# EAGLE board Mk4 Final a Panel score 2x5 (EAGLE 9.0.1), part 19 of 29 (continued)
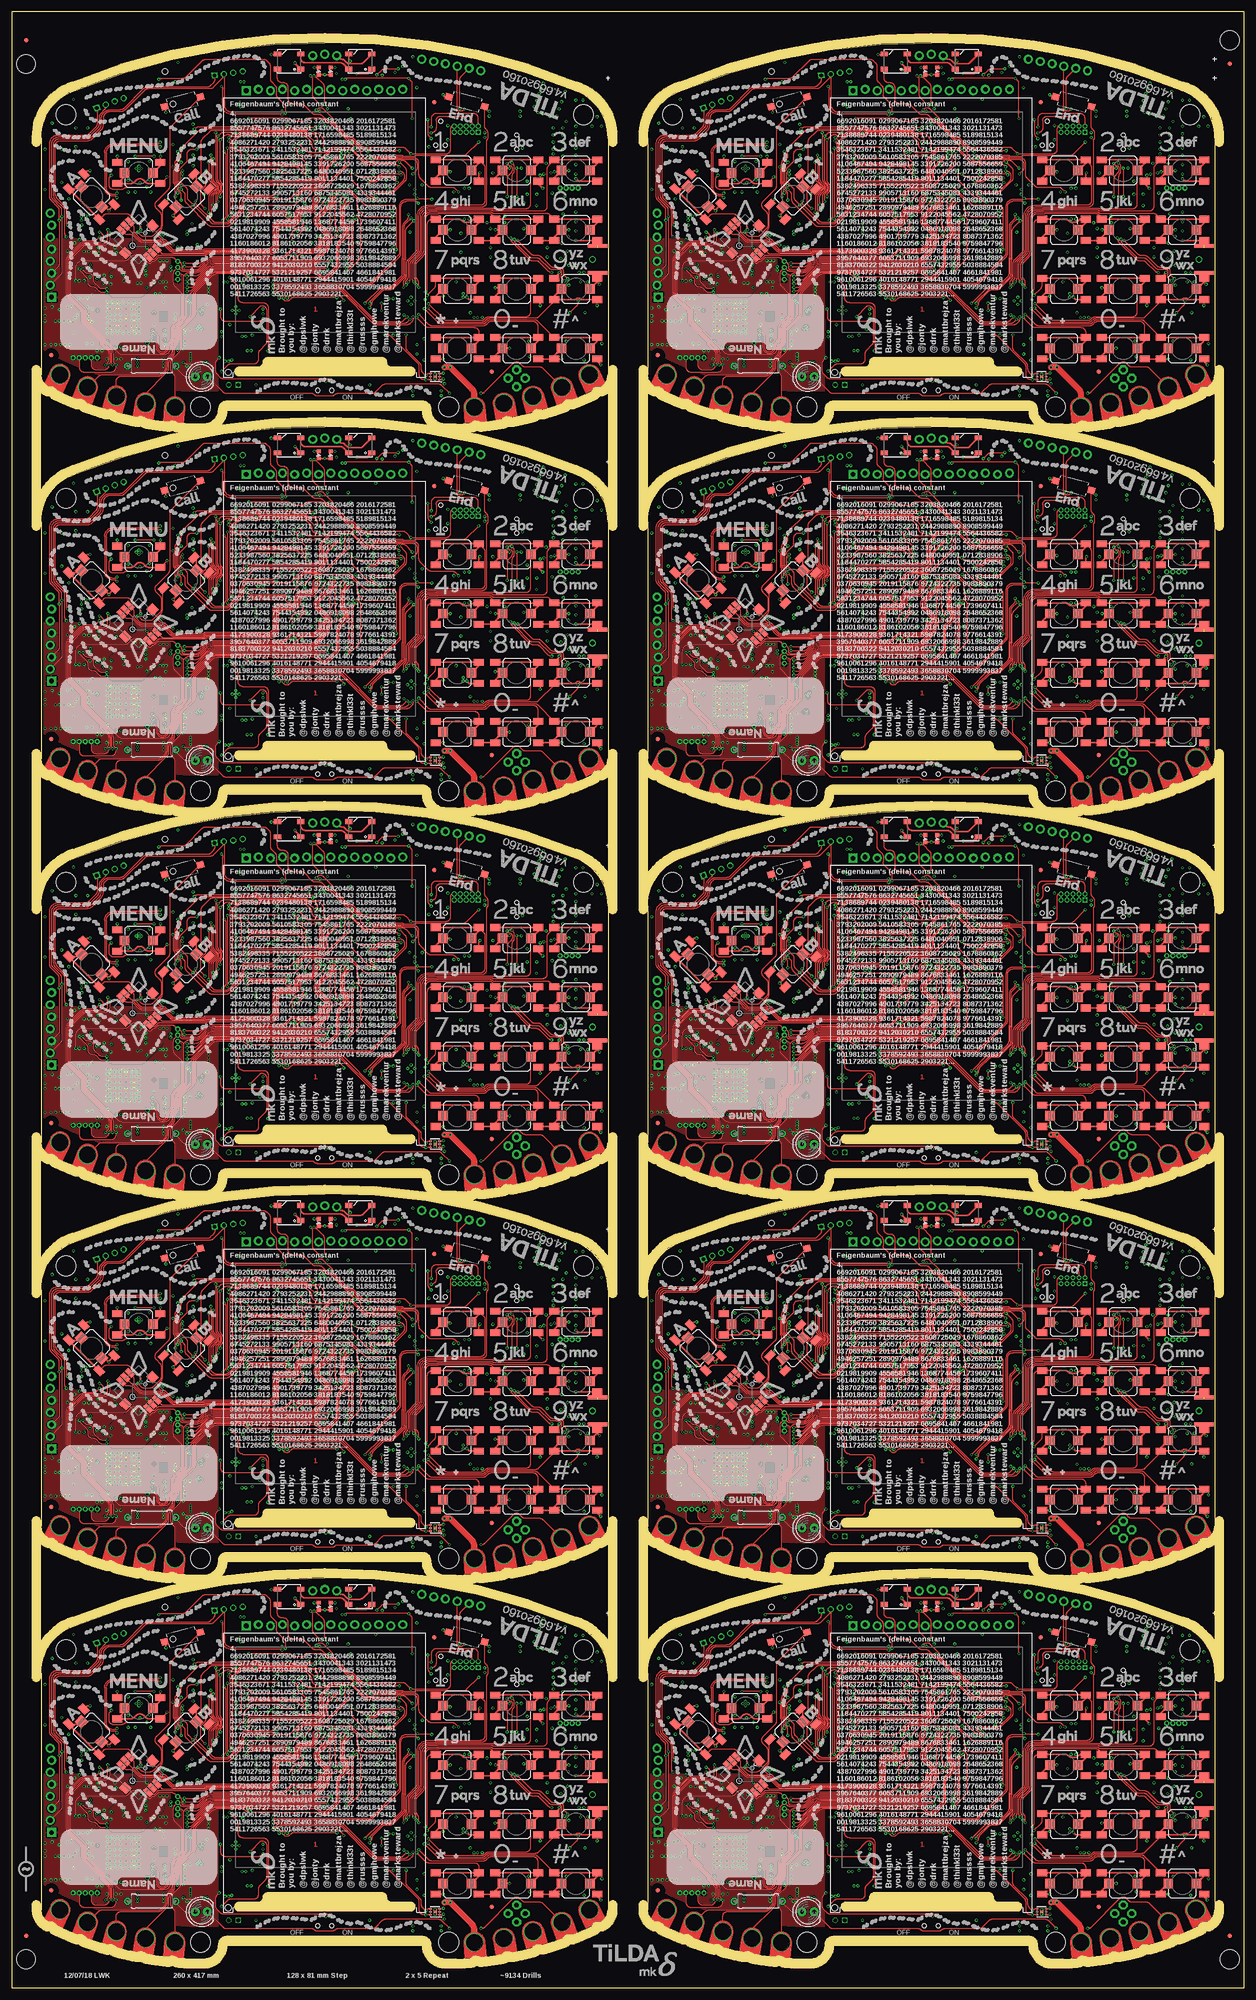
[diagram p0: board, top side]
## Tracks (layer width: path | path; a pad name or v marks a point on that pad's centre or on a via) (continued)
N$4
  cutout 3V3@2: 86.1,11 86.1,14.75 90.1,14.75 90.1,11
  cutout GND@3: 86.1,11 86.1,14.75 90.1,14.75 90.1,11
N$5
  cutout GND@3 (no thermals): 155.9,34.9 155.9,34.85 155.9,34.9 156.24,35.24 arc-90 156.66,35.24 156.84,35.06 arc-90 156.84,34.64 154.15,31.95 154.15,31.8 arc-90 153.85,31.5 153.75,31.5 arc-90 153.45,31.8 153.45,32.4 155.9,34.85
N$6
  cutout GND@3 (no thermals): 151.1,36.5 151.1,32.8 151.85,32.05 151.85,31.75 arc-90 151.55,31.45 151.45,31.45 arc-90 151.15,31.75 150.4,32.5 150.4,37 151.29,37.89 arc-90 151.71,37.89 151.89,37.71 arc-90 151.89,37.29
N$7
  cutout GND@3 (no thermals): 150.1,36.6 150.1,32.6 150.65,32.05 150.65,31.75 arc-90 150.35,31.45 150.25,31.45 arc-90 149.95,31.75 149.4,32.3 149.4,36.1 148.61,36.89 arc-90 148.61,37.31 148.79,37.49 arc-90 149.21,37.49
N$8
  cutout 3V3@2: 214.1,11 214.1,14.75 218.1,14.75 218.1,11
  cutout GND@3: 214.1,11 214.1,14.75 218.1,14.75 218.1,11
N$9
  cutout GND@3 (no thermals): 27.9,115.9 27.9,115.85 27.9,115.9 28.24,116.24 arc-90 28.66,116.24 28.84,116.06 arc-90 28.84,115.64 26.15,112.95 26.15,112.8 arc-90 25.85,112.5 25.75,112.5 arc-90 25.45,112.8 25.45,113.4 27.9,115.85
N$10
  cutout GND@3 (no thermals): 23.1,117.5 23.1,113.8 23.85,113.05 23.85,112.75 arc-90 23.55,112.45 23.45,112.45 arc-90 23.15,112.75 22.4,113.5 22.4,118 23.29,118.89 arc-90 23.71,118.89 23.89,118.71 arc-90 23.89,118.29
N$11
  cutout GND@3 (no thermals): 22.1,117.6 22.1,113.6 22.65,113.05 22.65,112.75 arc-90 22.35,112.45 22.25,112.45 arc-90 21.95,112.75 21.4,113.3 21.4,117.1 20.61,117.89 arc-90 20.61,118.31 20.79,118.49 arc-90 21.21,118.49
N$12
  cutout 3V3@2: 86.1,92 86.1,95.75 90.1,95.75 90.1,92
  cutout GND@3: 86.1,92 86.1,95.75 90.1,95.75 90.1,92
N$13
  cutout GND@3 (no thermals): 155.9,115.9 155.9,115.85 155.9,115.9 156.24,116.24 arc-90 156.66,116.24 156.84,116.06 arc-90 156.84,115.64 154.15,112.95 154.15,112.8 arc-90 153.85,112.5 153.75,112.5 arc-90 153.45,112.8 153.45,113.4 155.9,115.85
N$14
  cutout GND@3 (no thermals): 151.1,117.5 151.1,113.8 151.85,113.05 151.85,112.75 arc-90 151.55,112.45 151.45,112.45 arc-90 151.15,112.75 150.4,113.5 150.4,118 151.29,118.89 arc-90 151.71,118.89 151.89,118.71 arc-90 151.89,118.29
N$15
  cutout GND@3 (no thermals): 150.1,117.6 150.1,113.6 150.65,113.05 150.65,112.75 arc-90 150.35,112.45 150.25,112.45 arc-90 149.95,112.75 149.4,113.3 149.4,117.1 148.61,117.89 arc-90 148.61,118.31 148.79,118.49 arc-90 149.21,118.49
N$16
  cutout 3V3@2: 214.1,92 214.1,95.75 218.1,95.75 218.1,92
  cutout GND@3: 214.1,92 214.1,95.75 218.1,95.75 218.1,92
N$17
  cutout GND@3 (no thermals): 27.9,196.9 27.9,196.85 27.9,196.9 28.24,197.24 arc-90 28.66,197.24 28.84,197.06 arc-90 28.84,196.64 26.15,193.95 26.15,193.8 arc-90 25.85,193.5 25.75,193.5 arc-90 25.45,193.8 25.45,194.4 27.9,196.85
N$18
  cutout GND@3 (no thermals): 23.1,198.5 23.1,194.8 23.85,194.05 23.85,193.75 arc-90 23.55,193.45 23.45,193.45 arc-90 23.15,193.75 22.4,194.5 22.4,199 23.29,199.89 arc-90 23.71,199.89 23.89,199.71 arc-90 23.89,199.29
N$19
  cutout GND@3 (no thermals): 22.1,198.6 22.1,194.6 22.65,194.05 22.65,193.75 arc-90 22.35,193.45 22.25,193.45 arc-90 21.95,193.75 21.4,194.3 21.4,198.1 20.61,198.89 arc-90 20.61,199.31 20.79,199.49 arc-90 21.21,199.49
N$20
  cutout 3V3@2: 86.1,173 86.1,176.75 90.1,176.75 90.1,173
  cutout GND@3: 86.1,173 86.1,176.75 90.1,176.75 90.1,173
N$21
  cutout GND@3 (no thermals): 155.9,196.9 155.9,196.85 155.9,196.9 156.24,197.24 arc-90 156.66,197.24 156.84,197.06 arc-90 156.84,196.64 154.15,193.95 154.15,193.8 arc-90 153.85,193.5 153.75,193.5 arc-90 153.45,193.8 153.45,194.4 155.9,196.85
N$22
  cutout GND@3 (no thermals): 151.1,198.5 151.1,194.8 151.85,194.05 151.85,193.75 arc-90 151.55,193.45 151.45,193.45 arc-90 151.15,193.75 150.4,194.5 150.4,199 151.29,199.89 arc-90 151.71,199.89 151.89,199.71 arc-90 151.89,199.29
N$23
  cutout GND@3 (no thermals): 150.1,198.6 150.1,194.6 150.65,194.05 150.65,193.75 arc-90 150.35,193.45 150.25,193.45 arc-90 149.95,193.75 149.4,194.3 149.4,198.1 148.61,198.89 arc-90 148.61,199.31 148.79,199.49 arc-90 149.21,199.49
N$24
  cutout 3V3@2: 214.1,173 214.1,176.75 218.1,176.75 218.1,173
  cutout GND@3: 214.1,173 214.1,176.75 218.1,176.75 218.1,173
N$25
  cutout GND@3 (no thermals): 27.9,277.9 27.9,277.85 27.9,277.9 28.24,278.24 arc-90 28.66,278.24 28.84,278.06 arc-90 28.84,277.64 26.15,274.95 26.15,274.8 arc-90 25.85,274.5 25.75,274.5 arc-90 25.45,274.8 25.45,275.4 27.9,277.85
N$26
  cutout GND@3 (no thermals): 23.1,279.5 23.1,275.8 23.85,275.05 23.85,274.75 arc-90 23.55,274.45 23.45,274.45 arc-90 23.15,274.75 22.4,275.5 22.4,280 23.29,280.89 arc-90 23.71,280.89 23.89,280.71 arc-90 23.89,280.29
N$27
  cutout GND@3 (no thermals): 22.1,279.6 22.1,275.6 22.65,275.05 22.65,274.75 arc-90 22.35,274.45 22.25,274.45 arc-90 21.95,274.75 21.4,275.3 21.4,279.1 20.61,279.89 arc-90 20.61,280.31 20.79,280.49 arc-90 21.21,280.49
N$28
  cutout 3V3@2: 86.1,254 86.1,257.75 90.1,257.75 90.1,254
  cutout GND@3: 86.1,254 86.1,257.75 90.1,257.75 90.1,254
N$29
  cutout GND@3 (no thermals): 155.9,277.9 155.9,277.85 155.9,277.9 156.24,278.24 arc-90 156.66,278.24 156.84,278.06 arc-90 156.84,277.64 154.15,274.95 154.15,274.8 arc-90 153.85,274.5 153.75,274.5 arc-90 153.45,274.8 153.45,275.4 155.9,277.85
N$30
  cutout GND@3 (no thermals): 151.1,279.5 151.1,275.8 151.85,275.05 151.85,274.75 arc-90 151.55,274.45 151.45,274.45 arc-90 151.15,274.75 150.4,275.5 150.4,280 151.29,280.89 arc-90 151.71,280.89 151.89,280.71 arc-90 151.89,280.29
N$31
  cutout GND@3 (no thermals): 150.1,279.6 150.1,275.6 150.65,275.05 150.65,274.75 arc-90 150.35,274.45 150.25,274.45 arc-90 149.95,274.75 149.4,275.3 149.4,279.1 148.61,279.89 arc-90 148.61,280.31 148.79,280.49 arc-90 149.21,280.49
N$32
  cutout 3V3@2: 214.1,254 214.1,257.75 218.1,257.75 218.1,254
  cutout GND@3: 214.1,254 214.1,257.75 218.1,257.75 218.1,254
N$33
  cutout GND@3 (no thermals): 27.9,358.9 27.9,358.85 27.9,358.9 28.24,359.24 arc-90 28.66,359.24 28.84,359.06 arc-90 28.84,358.64 26.15,355.95 26.15,355.8 arc-90 25.85,355.5 25.75,355.5 arc-90 25.45,355.8 25.45,356.4 27.9,358.85
N$34
  cutout GND@3 (no thermals): 23.1,360.5 23.1,356.8 23.85,356.05 23.85,355.75 arc-90 23.55,355.45 23.45,355.45 arc-90 23.15,355.75 22.4,356.5 22.4,361 23.29,361.89 arc-90 23.71,361.89 23.89,361.71 arc-90 23.89,361.29
N$35
  cutout GND@3 (no thermals): 22.1,360.6 22.1,356.6 22.65,356.05 22.65,355.75 arc-90 22.35,355.45 22.25,355.45 arc-90 21.95,355.75 21.4,356.3 21.4,360.1 20.61,360.89 arc-90 20.61,361.31 20.79,361.49 arc-90 21.21,361.49
N$36
  cutout 3V3@2: 86.1,335 86.1,338.75 90.1,338.75 90.1,335
  cutout GND@3: 86.1,335 86.1,338.75 90.1,338.75 90.1,335
N$37
  cutout GND@3 (no thermals): 155.9,358.9 155.9,358.85 155.9,358.9 156.24,359.24 arc-90 156.66,359.24 156.84,359.06 arc-90 156.84,358.64 154.15,355.95 154.15,355.8 arc-90 153.85,355.5 153.75,355.5 arc-90 153.45,355.8 153.45,356.4 155.9,358.85
N$38
  cutout GND@3 (no thermals): 151.1,360.5 151.1,356.8 151.85,356.05 151.85,355.75 arc-90 151.55,355.45 151.45,355.45 arc-90 151.15,355.75 150.4,356.5 150.4,361 151.29,361.89 arc-90 151.71,361.89 151.89,361.71 arc-90 151.89,361.29
N$39
  cutout GND@3 (no thermals): 150.1,360.6 150.1,356.6 150.65,356.05 150.65,355.75 arc-90 150.35,355.45 150.25,355.45 arc-90 149.95,355.75 149.4,356.3 149.4,360.1 148.61,360.89 arc-90 148.61,361.31 148.79,361.49 arc-90 149.21,361.49
N$40
  cutout 3V3@2: 214.1,335 214.1,338.75 218.1,338.75 218.1,335
  cutout GND@3: 214.1,335 214.1,338.75 218.1,338.75 218.1,335
NETLIGHT_R
  Bottom 0.15: IC5.41 103.2,38 arc-90 102.2,37 96.75,37 R42.2
NETLIGHT_R1
  Bottom 0.15: IC21.41 231.2,38 arc-90 230.2,37 224.75,37 R124.2
NETLIGHT_R2
  Bottom 0.15: IC39.41 103.2,119 arc-90 102.2,118 96.75,118 R202.2
NETLIGHT_R3
  Bottom 0.15: IC57.41 231.2,119 arc-90 230.2,118 224.75,118 R280.2
NETLIGHT_R4
  Bottom 0.15: IC75.41 103.2,200 arc-90 102.2,199 96.75,199 R358.2
NETLIGHT_R5
  Bottom 0.15: IC93.41 231.2,200 arc-90 230.2,199 224.75,199 R436.2
NETLIGHT_R6
  Bottom 0.15: IC111.41 103.2,281 arc-90 102.2,280 96.75,280 R514.2
NETLIGHT_R7
  Bottom 0.15: IC129.41 231.2,281 arc-90 230.2,280 224.75,280 R592.2
NETLIGHT_R8
  Bottom 0.15: IC147.41 103.2,362 arc-90 102.2,361 96.75,361 R670.2
NETLIGHT_R9
  Bottom 0.15: IC165.41 231.2,362 arc-90 230.2,361 224.75,361 R748.2
OSC0
  Bottom 0.15: IC1.88 69,70.2 C16.2 68.75,71.91 arc45 68.46,72.62 X2.1
OSC1
  Bottom 0.15: IC1.89 69.4,68.1 R6.1
OSC1_R
  Bottom 0.15: R6.2 C17.2 69.75,71.47 X2.3
OSC1_R1
  Bottom 0.15: R90.2 C127.2 197.75,71.47 X6.3
OSC1_R2
  Bottom 0.15: R168.2 C235.2 69.75,152.47 X10.3
OSC1_R3
  Bottom 0.15: R246.2 C343.2 197.75,152.47 X14.3
OSC1_R4
  Bottom 0.15: R324.2 C451.2 69.75,233.47 X18.3
OSC1_R5
  Bottom 0.15: R402.2 C559.2 197.75,233.47 X22.3
OSC1_R6
  Bottom 0.15: R480.2 C667.2 69.75,314.48 X26.3
OSC1_R7
  Bottom 0.15: R558.2 C775.2 197.75,314.48 X30.3
OSC1_R8
  Bottom 0.15: R636.2 C883.2 69.75,395.48 X34.3
OSC1_R9
  Bottom 0.15: R714.2 C991.2 197.75,395.48 X38.3
OSC2
  Bottom 0.15: IC20.88 197,70.2 C126.2 196.75,71.91 arc45 196.46,72.62 X6.1
OSC3
  Bottom 0.15: IC20.89 197.4,68.1 R90.1
OSC4
  Bottom 0.15: IC38.88 69,151.2 C234.2 68.75,152.91 arc45 68.46,153.62 X10.1
OSC5
  Bottom 0.15: IC38.89 69.4,149.1 R168.1
OSC6
  Bottom 0.15: IC56.88 197,151.2 C342.2 196.75,152.91 arc45 196.46,153.62 X14.1
OSC7
  Bottom 0.15: IC56.89 197.4,149.1 R246.1
OSC8
  Bottom 0.15: IC74.88 69,232.2 C450.2 68.75,233.91 arc45 68.46,234.62 X18.1
OSC9
  Bottom 0.15: IC74.89 69.4,230.1 R324.1
OSC10
  Bottom 0.15: IC92.88 197,232.2 C558.2 196.75,233.91 arc45 196.46,234.62 X22.1
OSC11
  Bottom 0.15: IC92.89 197.4,230.1 R402.1
OSC12
  Bottom 0.15: IC110.88 69,313.2 C666.2 68.75,314.91 arc45 68.46,315.62 X26.1
OSC13
  Bottom 0.15: IC110.89 69.4,311.1 R480.1
OSC14
  Bottom 0.15: IC128.88 197,313.2 C774.2 196.75,314.91 arc45 196.46,315.62 X30.1
OSC15
  Bottom 0.15: IC128.89 197.4,311.1 R558.1
OSC16
  Bottom 0.15: IC146.88 69,394.2 C882.2 68.75,395.91 arc45 68.46,396.62 X34.1
OSC17
  Bottom 0.15: IC146.89 69.4,392.1 R636.1
OSC18
  Bottom 0.15: IC164.88 197,394.2 C990.2 196.75,395.91 arc45 196.46,396.62 X38.1
OSC19
  Bottom 0.15: IC164.89 197.4,392.1 R714.1
POWER_SWITCH  (via drill 0.3)
  Top 0.15: v67.25,15 67.02,15.23 arc45 66.31,15.53 66.03,15.53 66.01,15.5 44.71,15.5 arc-45 44.01,15.79 43.32,16.48 arc-45 43.02,17.19 43.02,18.86 arc-45 43.32,19.57 v43.75,20
  Bottom 0.15: Q3.4 44.3,20.2 R13.1 v43.75,20 | S18.3 67.61,14.85 arc-45 v67.25,15
POWER_SWITCH1  (via drill 0.3)
  Top 0.15: v195.25,15 195.02,15.23 arc45 194.31,15.53 194.03,15.53 194.01,15.5 172.71,15.5 arc-45 172.01,15.79 171.32,16.48 arc-45 171.03,17.19 171.03,18.86 arc-45 171.32,19.57 v171.75,20
  Bottom 0.15: Q7.4 172.3,20.2 R96.1 v171.75,20 | S39.3 195.61,14.85 arc-45 v195.25,15
POWER_SWITCH2  (via drill 0.3)
  Top 0.15: v67.25,96 67.02,96.23 arc45 66.31,96.53 66.03,96.53 66.01,96.5 44.71,96.5 arc-45 44.01,96.79 43.32,97.48 arc-45 43.02,98.19 43.02,99.86 arc-45 43.32,100.57 v43.75,101
  Bottom 0.15: Q12.4 44.3,101.2 R174.1 v43.75,101 | S60.3 67.61,95.85 arc-45 v67.25,96
POWER_SWITCH3  (via drill 0.3)
  Top 0.15: v195.25,96 195.02,96.23 arc45 194.31,96.53 194.03,96.53 194.01,96.5 172.71,96.5 arc-45 172.01,96.79 171.32,97.48 arc-45 171.03,98.19 171.03,99.86 arc-45 171.32,100.57 v171.75,101
  Bottom 0.15: Q16.4 172.3,101.2 R252.1 v171.75,101 | S81.3 195.61,95.85 arc-45 v195.25,96
POWER_SWITCH4  (via drill 0.3)
  Top 0.15: v67.25,177 67.02,177.23 arc45 66.31,177.53 66.03,177.53 66.01,177.5 44.71,177.5 arc-45 44.01,177.79 43.32,178.48 arc-45 43.02,179.19 43.02,180.86 arc-45 43.32,181.57 v43.75,182
  Bottom 0.15: Q20.4 44.3,182.2 R330.1 v43.75,182 | S102.3 67.61,176.85 arc-45 v67.25,177
POWER_SWITCH5  (via drill 0.3)
  Top 0.15: v195.25,177 195.02,177.23 arc45 194.31,177.53 194.03,177.53 194.01,177.5 172.71,177.5 arc-45 172.01,177.79 171.32,178.48 arc-45 171.03,179.19 171.03,180.86 arc-45 171.32,181.57 v171.75,182
  Bottom 0.15: Q24.4 172.3,182.2 R408.1 v171.75,182 | S123.3 195.61,176.85 arc-45 v195.25,177
POWER_SWITCH6  (via drill 0.3)
  Top 0.15: v67.25,258 67.02,258.23 arc45 66.31,258.52 66.03,258.52 66.01,258.5 44.71,258.5 arc-45 44.01,258.79 43.32,259.48 arc-45 43.02,260.19 43.02,261.86 arc-45 43.32,262.57 v43.75,263
  Bottom 0.15: Q28.4 44.3,263.2 R486.1 v43.75,263 | S144.3 67.61,257.85 arc-45 v67.25,258
POWER_SWITCH7  (via drill 0.3)
  Top 0.15: v195.25,258 195.02,258.23 arc45 194.31,258.52 194.03,258.52 194.01,258.5 172.71,258.5 arc-45 172.01,258.79 171.32,259.48 arc-45 171.03,260.19 171.03,261.86 arc-45 171.32,262.57 v171.75,263
  Bottom 0.15: Q32.4 172.3,263.2 R564.1 v171.75,263 | S165.3 195.61,257.85 arc-45 v195.25,258
POWER_SWITCH8  (via drill 0.3)
  Top 0.15: v67.25,339 67.02,339.23 arc45 66.31,339.52 66.03,339.52 66.01,339.5 44.71,339.5 arc-45 44.01,339.79 43.32,340.48 arc-45 43.02,341.19 43.02,342.86 arc-45 43.32,343.57 v43.75,344
  Bottom 0.15: Q36.4 44.3,344.2 R642.1 v43.75,344 | S186.3 67.61,338.85 arc-45 v67.25,339
POWER_SWITCH9  (via drill 0.3)
  Top 0.15: v195.25,339 195.02,339.23 arc45 194.31,339.52 194.03,339.52 194.01,339.5 172.71,339.5 arc-45 172.01,339.79 171.32,340.48 arc-45 171.03,341.19 171.03,342.86 arc-45 171.32,343.57 v171.75,344
  Bottom 0.15: Q40.4 172.3,344.2 R720.1 v171.75,344 | S207.3 195.61,338.85 arc-45 v195.25,339
PWM2_SPK_PWM  (via drill 0.3)
  3V3@2 0.15: v54,58.25 54.25,58 54.25,49.75 52,47.5 v51.5,47.5
  Bottom 0.15: IC1.44 55.46,57.2 arc-45 54.76,57.49 v54,58.25 | v51.5,47.5 37.98,47.5 arc-45 37.84,47.56 37.76,47.64 arc45 37.62,47.7 36.91,47.7 arc-45 36.21,47.99 35.84,48.36 arc-45 35.55,49.06 35.55,50.43 arc45 35.18,51.32 33.74,52.76 arc45 33.21,52.98 32.98,52.98 arc-90 32.48,53.48 32.48,53.69 arc45 32.29,54.13 arc-45 32,54.84 32,65.4 arc90 31,66.4 C105.2
PWM2_SPK_PWM1  (via drill 0.3)
  3V3@2 0.15: v182,58.25 182.25,58 182.25,49.75 180,47.5 v179.5,47.5
  Bottom 0.15: IC20.44 183.46,57.2 arc-45 182.76,57.49 v182,58.25 | v179.5,47.5 165.98,47.5 arc-45 165.84,47.56 165.76,47.64 arc45 165.62,47.7 164.91,47.7 arc-45 164.21,47.99 163.84,48.36 arc-45 163.55,49.06 163.55,50.43 arc45 163.18,51.32 161.75,52.76 arc45 161.21,52.98 160.97,52.98 arc-90 160.47,53.48 160.47,53.69 arc45 160.29,54.13 arc-45 160,54.84 160,65.4 arc90 159,66.4 C213.2
PWM2_SPK_PWM2  (via drill 0.3)
  3V3@2 0.15: v54,139.25 54.25,139 54.25,130.75 52,128.5 v51.5,128.5
  Bottom 0.15: IC38.44 55.46,138.2 arc-45 54.76,138.49 v54,139.25 | v51.5,128.5 37.98,128.5 arc-45 37.84,128.56 37.76,128.64 arc45 37.62,128.7 36.91,128.7 arc-45 36.21,128.99 35.84,129.36 arc-45 35.55,130.06 35.55,131.43 arc45 35.18,132.32 33.74,133.75 arc45 33.21,133.97 32.98,133.97 arc-90 32.48,134.47 32.48,134.69 arc45 32.29,135.13 arc-45 32,135.84 32,146.4 arc90 31,147.4 C321.2
PWM2_SPK_PWM3  (via drill 0.3)
  3V3@2 0.15: v182,139.25 182.25,139 182.25,130.75 180,128.5 v179.5,128.5
  Bottom 0.15: IC56.44 183.46,138.2 arc-45 182.76,138.49 v182,139.25 | v179.5,128.5 165.98,128.5 arc-45 165.84,128.56 165.76,128.64 arc45 165.62,128.7 164.91,128.7 arc-45 164.21,128.99 163.84,129.36 arc-45 163.55,130.06 163.55,131.43 arc45 163.18,132.32 161.75,133.75 arc45 161.21,133.97 160.97,133.97 arc-90 160.47,134.47 160.47,134.69 arc45 160.29,135.13 arc-45 160,135.84 160,146.4 arc90 159,147.4 C429.2
PWM2_SPK_PWM4  (via drill 0.3)
  3V3@2 0.15: v54,220.25 54.25,220 54.25,211.75 52,209.5 v51.5,209.5
  Bottom 0.15: IC74.44 55.46,219.2 arc-45 54.76,219.49 v54,220.25 | v51.5,209.5 37.98,209.5 arc-45 37.84,209.56 37.76,209.64 arc45 37.62,209.7 36.91,209.7 arc-45 36.21,209.99 35.84,210.36 arc-45 35.55,211.06 35.55,212.43 arc45 35.18,213.32 33.74,214.75 arc45 33.21,214.97 32.98,214.97 arc-90 32.48,215.47 32.48,215.69 arc45 32.29,216.13 arc-45 32,216.84 32,227.4 arc90 31,228.4 C537.2
PWM2_SPK_PWM5  (via drill 0.3)
  3V3@2 0.15: v182,220.25 182.25,220 182.25,211.75 180,209.5 v179.5,209.5
  Bottom 0.15: IC92.44 183.46,219.2 arc-45 182.76,219.49 v182,220.25 | v179.5,209.5 165.98,209.5 arc-45 165.84,209.56 165.76,209.64 arc45 165.62,209.7 164.91,209.7 arc-45 164.21,209.99 163.84,210.36 arc-45 163.55,211.06 163.55,212.43 arc45 163.18,213.32 161.75,214.75 arc45 161.21,214.97 160.97,214.97 arc-90 160.47,215.47 160.47,215.69 arc45 160.29,216.13 arc-45 160,216.84 160,227.4 arc90 159,228.4 C645.2
PWM2_SPK_PWM6  (via drill 0.3)
  3V3@2 0.15: v54,301.25 54.25,301 54.25,292.75 52,290.5 v51.5,290.5
  Bottom 0.15: IC110.44 55.46,300.2 arc-45 54.76,300.49 v54,301.25 | v51.5,290.5 37.98,290.5 arc-45 37.84,290.56 37.76,290.64 arc45 37.62,290.7 36.91,290.7 arc-45 36.21,290.99 35.84,291.36 arc-45 35.55,292.06 35.55,293.43 arc45 35.18,294.32 33.74,295.75 arc45 33.21,295.98 32.98,295.98 arc-90 32.48,296.48 32.48,296.69 arc45 32.29,297.13 arc-45 32,297.84 32,308.4 arc90 31,309.4 C753.2
PWM2_SPK_PWM7  (via drill 0.3)
  3V3@2 0.15: v182,301.25 182.25,301 182.25,292.75 180,290.5 v179.5,290.5
  Bottom 0.15: IC128.44 183.46,300.2 arc-45 182.76,300.49 v182,301.25 | v179.5,290.5 165.98,290.5 arc-45 165.84,290.56 165.76,290.64 arc45 165.62,290.7 164.91,290.7 arc-45 164.21,290.99 163.84,291.36 arc-45 163.55,292.06 163.55,293.43 arc45 163.18,294.32 161.75,295.75 arc45 161.21,295.98 160.97,295.98 arc-90 160.47,296.48 160.47,296.69 arc45 160.29,297.13 arc-45 160,297.84 160,308.4 arc90 159,309.4 C861.2
PWM2_SPK_PWM8  (via drill 0.3)
  3V3@2 0.15: v54,382.25 54.25,382 54.25,373.75 52,371.5 v51.5,371.5
  Bottom 0.15: IC146.44 55.46,381.2 arc-45 54.76,381.49 v54,382.25 | v51.5,371.5 37.98,371.5 arc-45 37.84,371.56 37.76,371.64 arc45 37.62,371.7 36.91,371.7 arc-45 36.21,371.99 35.84,372.36 arc-45 35.55,373.06 35.55,374.43 arc45 35.18,375.32 33.74,376.75 arc45 33.21,376.98 32.98,376.98 arc-90 32.48,377.48 32.48,377.69 arc45 32.29,378.13 arc-45 32,378.84 32,389.4 arc90 31,390.4 C969.2
PWM2_SPK_PWM9  (via drill 0.3)
  3V3@2 0.15: v182,382.25 182.25,382 182.25,373.75 180,371.5 v179.5,371.5
  Bottom 0.15: IC164.44 183.46,381.2 arc-45 182.76,381.49 v182,382.25 | v179.5,371.5 165.98,371.5 arc-45 165.84,371.56 165.76,371.64 arc45 165.62,371.7 164.91,371.7 arc-45 164.21,371.99 163.84,372.36 arc-45 163.55,373.06 163.55,374.43 arc45 163.18,375.32 161.75,376.75 arc45 161.21,376.98 160.97,376.98 arc-90 160.47,377.48 160.47,377.69 arc45 160.29,378.13 arc-45 160,378.84 160,389.4 arc90 159,390.4 C1077.2
PWM3_MIC_PWM  (via drill 0.3)
  Top 0.15: v81.7,60.3 81.39,60.61 arc45 80.69,60.9 76.39,60.9 76.37,60.88 74.98,60.88 arc-45 74.28,61.17 71.56,63.88 arc45 71.21,64.03 67.64,64.03 arc45 66.93,63.73 65.29,62.09 arc45 65,61.39 65,58.7 arc-90 64,57.7 60.48,57.7 arc-45 v60,57.9
  Bottom 0.15: IC1.45 59.29,57.6 arc45 v59.99,57.89 v60,57.9 | v81.7,60.3 81.39,60.61 arc-45 81.1,61.31 81.1,63.75 arc-90 82.1,64.75 R53.2
PWM3_MIC_PWM1  (via drill 0.3)
  Top 0.15: v209.7,60.3 209.39,60.61 arc45 208.69,60.9 204.39,60.9 204.37,60.88 202.98,60.88 arc-45 202.28,61.17 199.56,63.88 arc45 199.21,64.03 195.64,64.03 arc45 194.93,63.73 193.29,62.09 arc45 193,61.39 193,58.7 arc-90 192,57.7 188.48,57.7 arc-45 v188,57.9
  Bottom 0.15: IC20.45 187.29,57.6 arc45 v187.99,57.89 v188,57.9 | v209.7,60.3 209.39,60.61 arc-45 209.1,61.31 209.1,63.75 arc-90 210.1,64.75 R131.2
PWM3_MIC_PWM2  (via drill 0.3)
  Top 0.15: v81.7,141.3 81.39,141.61 arc45 80.69,141.9 76.39,141.9 76.37,141.88 74.98,141.88 arc-45 74.28,142.17 71.56,144.88 arc45 71.21,145.03 67.64,145.03 arc45 66.93,144.73 65.29,143.09 arc45 65,142.39 65,139.7 arc-90 64,138.7 60.48,138.7 arc-45 v60,138.9
  Bottom 0.15: IC38.45 59.29,138.6 arc45 v59.99,138.89 v60,138.9 | v81.7,141.3 81.39,141.61 arc-45 81.1,142.31 81.1,144.75 arc-90 82.1,145.75 R209.2
PWM3_MIC_PWM3  (via drill 0.3)
  Top 0.15: v209.7,141.3 209.39,141.61 arc45 208.69,141.9 204.39,141.9 204.37,141.88 202.98,141.88 arc-45 202.28,142.17 199.56,144.88 arc45 199.21,145.03 195.64,145.03 arc45 194.93,144.73 193.29,143.09 arc45 193,142.39 193,139.7 arc-90 192,138.7 188.48,138.7 arc-45 v188,138.9
  Bottom 0.15: IC56.45 187.29,138.6 arc45 v187.99,138.89 v188,138.9 | v209.7,141.3 209.39,141.61 arc-45 209.1,142.31 209.1,144.75 arc-90 210.1,145.75 R287.2
PWM3_MIC_PWM4  (via drill 0.3)
  Top 0.15: v81.7,222.3 81.39,222.61 arc45 80.69,222.9 76.39,222.9 76.37,222.88 74.98,222.88 arc-45 74.28,223.17 71.56,225.88 arc45 71.21,226.03 67.64,226.03 arc45 66.93,225.73 65.29,224.09 arc45 65,223.39 65,220.7 arc-90 64,219.7 60.48,219.7 arc-45 v60,219.9
  Bottom 0.15: IC74.45 59.29,219.6 arc45 v59.99,219.89 v60,219.9 | v81.7,222.3 81.39,222.61 arc-45 81.1,223.31 81.1,225.75 arc-90 82.1,226.75 R365.2
PWM3_MIC_PWM5  (via drill 0.3)
  Top 0.15: v209.7,222.3 209.39,222.61 arc45 208.69,222.9 204.39,222.9 204.37,222.88 202.98,222.88 arc-45 202.28,223.17 199.56,225.88 arc45 199.21,226.03 195.64,226.03 arc45 194.93,225.73 193.29,224.09 arc45 193,223.39 193,220.7 arc-90 192,219.7 188.48,219.7 arc-45 v188,219.9
  Bottom 0.15: IC92.45 187.29,219.6 arc45 v187.99,219.89 v188,219.9 | v209.7,222.3 209.39,222.61 arc-45 209.1,223.31 209.1,225.75 arc-90 210.1,226.75 R443.2
PWM3_MIC_PWM6  (via drill 0.3)
  Top 0.15: v81.7,303.3 81.39,303.61 arc45 80.69,303.9 76.39,303.9 76.37,303.88 74.98,303.88 arc-45 74.28,304.17 71.56,306.88 arc45 71.21,307.02 67.64,307.02 arc45 66.93,306.73 65.29,305.09 arc45 65,304.39 65,301.7 arc-90 64,300.7 60.48,300.7 arc-45 v60,300.9
  Bottom 0.15: IC110.45 59.29,300.6 arc45 v59.99,300.89 v60,300.9 | v81.7,303.3 81.39,303.61 arc-45 81.1,304.31 81.1,306.75 arc-90 82.1,307.75 R521.2
PWM3_MIC_PWM7  (via drill 0.3)
  Top 0.15: v209.7,303.3 209.39,303.61 arc45 208.69,303.9 204.39,303.9 204.37,303.88 202.98,303.88 arc-45 202.28,304.17 199.56,306.88 arc45 199.21,307.02 195.64,307.02 arc45 194.93,306.73 193.29,305.09 arc45 193,304.39 193,301.7 arc-90 192,300.7 188.48,300.7 arc-45 v188,300.9
  Bottom 0.15: IC128.45 187.29,300.6 arc45 v187.99,300.89 v188,300.9 | v209.7,303.3 209.39,303.61 arc-45 209.1,304.31 209.1,306.75 arc-90 210.1,307.75 R599.2
PWM3_MIC_PWM8  (via drill 0.3)
  Top 0.15: v81.7,384.3 81.39,384.61 arc45 80.69,384.9 76.39,384.9 76.37,384.88 74.98,384.88 arc-45 74.28,385.17 71.56,387.88 arc45 71.21,388.02 67.64,388.02 arc45 66.93,387.73 65.29,386.09 arc45 65,385.39 65,382.7 arc-90 64,381.7 60.48,381.7 arc-45 v60,381.9
  Bottom 0.15: IC146.45 59.29,381.6 arc45 v59.99,381.89 v60,381.9 | v81.7,384.3 81.39,384.61 arc-45 81.1,385.31 81.1,387.75 arc-90 82.1,388.75 R677.2
PWM3_MIC_PWM9  (via drill 0.3)
  Top 0.15: v209.7,384.3 209.39,384.61 arc45 208.69,384.9 204.39,384.9 204.37,384.88 202.98,384.88 arc-45 202.28,385.17 199.56,387.88 arc45 199.21,388.02 195.64,388.02 arc45 194.93,387.73 193.29,386.09 arc45 193,385.39 193,382.7 arc-90 192,381.7 188.48,381.7 arc-45 v188,381.9
  Bottom 0.15: IC164.45 187.29,381.6 arc45 v187.99,381.89 v188,381.9 | v209.7,384.3 209.39,384.61 arc-45 209.1,385.31 209.1,387.75 arc-90 210.1,388.75 R755.2
PWM6_LCD_BLIGHT  (via drill 0.3)
  Top 0.15: v81.1,42.8 81.1,51.2 arc90 80.1,52.2 74.99,52.2 arc-45 74.28,52.49 70.85,55.92 v70.85,56.15 | v59.5,64.6 60.03,64.07 arc-45 60.17,63.72 60.17,63.35 arc90 60.92,62.6 v64.8,62.6
  3V3@2 0.15: v64.8,62.6 70.85,56.55 v70.85,56.15
  Bottom 0.15: Q8.3 81.42,43.33 arc-45 81.28,42.98 v81.1,42.8 | IC1.63 59.3,64.8 v59.5,64.6
PWM6_LCD_BLIGHT1  (via drill 0.3)
  Top 0.15: v209.1,42.8 209.1,51.2 arc90 208.1,52.2 202.99,52.2 arc-45 202.28,52.49 198.85,55.92 v198.85,56.15 | v187.5,64.6 188.03,64.07 arc-45 188.18,63.72 188.18,63.35 arc90 188.93,62.6 v192.8,62.6
  3V3@2 0.15: v192.8,62.6 198.85,56.55 v198.85,56.15
  Bottom 0.15: Q4.3 209.42,43.33 arc-45 209.28,42.98 v209.1,42.8 | IC20.63 187.3,64.8 v187.5,64.6
PWM6_LCD_BLIGHT2  (via drill 0.3)
  Top 0.15: v81.1,123.8 81.1,132.2 arc90 80.1,133.2 74.99,133.2 arc-45 74.28,133.49 70.85,136.92 v70.85,137.15 | v59.5,145.6 60.03,145.07 arc-45 60.17,144.72 60.17,144.35 arc90 60.92,143.6 v64.8,143.6
  3V3@2 0.15: v64.8,143.6 70.85,137.55 v70.85,137.15
  Bottom 0.15: Q9.3 81.42,124.33 arc-45 81.28,123.98 v81.1,123.8 | IC38.63 59.3,145.8 v59.5,145.6
PWM6_LCD_BLIGHT3  (via drill 0.3)
  Top 0.15: v209.1,123.8 209.1,132.2 arc90 208.1,133.2 202.99,133.2 arc-45 202.28,133.49 198.85,136.92 v198.85,137.15 | v187.5,145.6 188.03,145.07 arc-45 188.18,144.72 188.18,144.35 arc90 188.93,143.6 v192.8,143.6
  3V3@2 0.15: v192.8,143.6 198.85,137.55 v198.85,137.15
  Bottom 0.15: Q13.3 209.42,124.33 arc-45 209.28,123.98 v209.1,123.8 | IC56.63 187.3,145.8 v187.5,145.6
PWM6_LCD_BLIGHT4  (via drill 0.3)
  Top 0.15: v81.1,204.8 81.1,213.2 arc90 80.1,214.2 74.99,214.2 arc-45 74.28,214.49 70.85,217.92 v70.85,218.15 | v59.5,226.6 60.03,226.07 arc-45 60.17,225.72 60.17,225.35 arc90 60.92,224.6 v64.8,224.6
  3V3@2 0.15: v64.8,224.6 70.85,218.55 v70.85,218.15
  Bottom 0.15: Q17.3 81.42,205.33 arc-45 81.28,204.98 v81.1,204.8 | IC74.63 59.3,226.8 v59.5,226.6
PWM6_LCD_BLIGHT5  (via drill 0.3)
  Top 0.15: v209.1,204.8 209.1,213.2 arc90 208.1,214.2 202.99,214.2 arc-45 202.28,214.49 198.85,217.92 v198.85,218.15 | v187.5,226.6 188.03,226.07 arc-45 188.18,225.72 188.18,225.35 arc90 188.93,224.6 v192.8,224.6